# Altium PCB DAC_Sources_REV2.PcbDoc (part 5 of 9)
Units mil, origin at the board's own origin, x right, y up, seen from the top; angles counter-clockwise.
Board outline 10905.51 x 5393.7 mil, 8 copper layers (Top Layer, GND_02, SIG_03, PWR_04, PWR_05, SIG_06, GND_07, Bottom Layer), stack 65.69 mil thick; 663 components, 464 nets, 2338 pads, 2140 vias.
Unrouted connection lines stored in the file: 515.
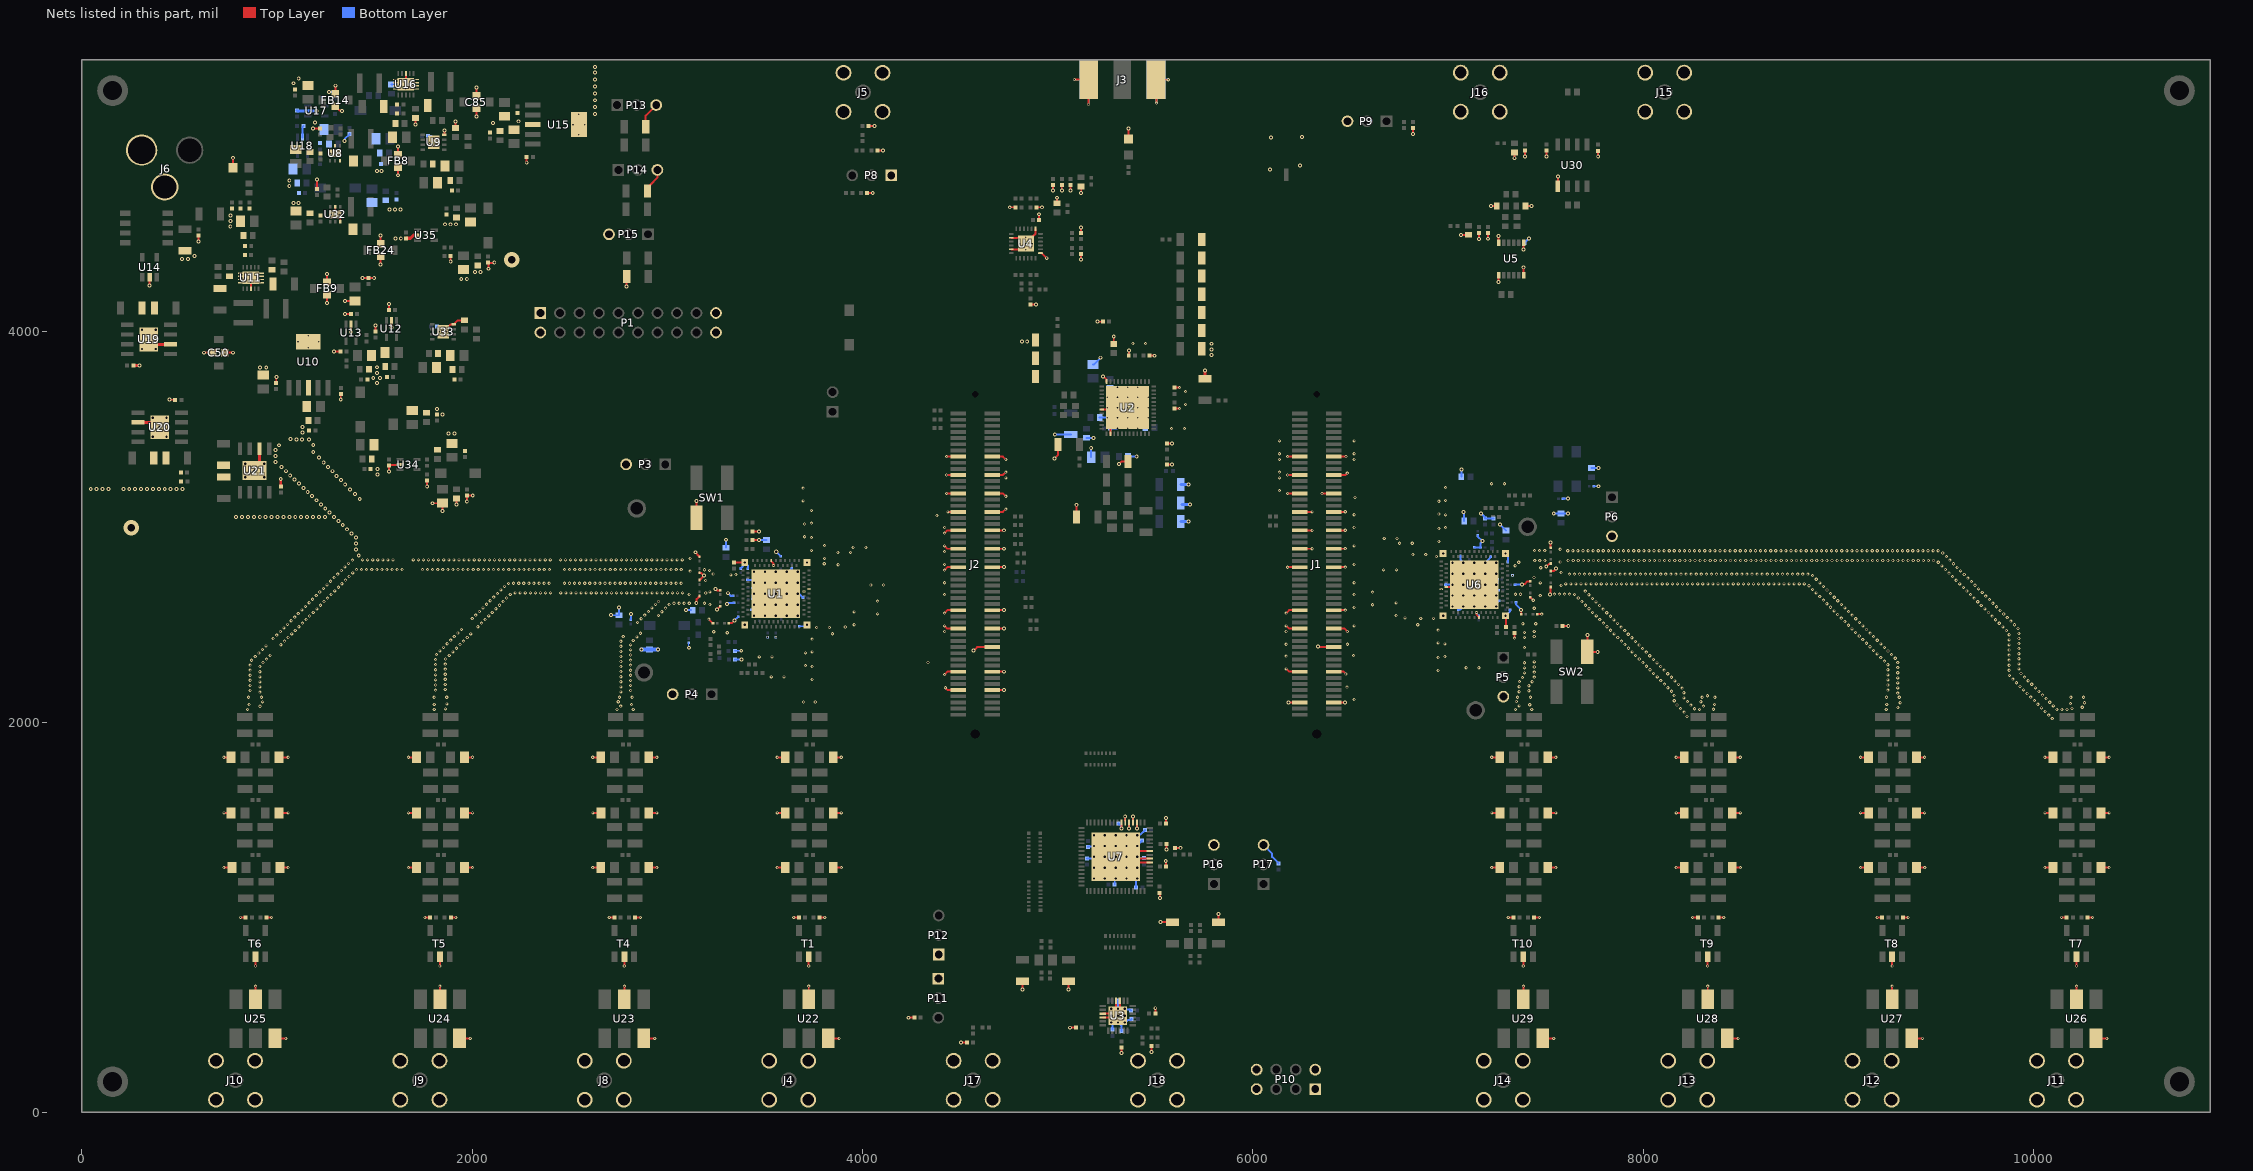
[diagram p11: the nets of this part, all layers, seen from the top]

## Via types
v1: diameter 16, hole 8, Top Layer to Bottom Layer, tented both sides, 1452 vias
v2: diameter 20, hole 10, Top Layer to Bottom Layer, tented both sides, 509 vias
v3: diameter 10, hole 6, Top Layer to Bottom Layer, tented both sides, 65 vias
v4: diameter 23.62, hole 11.81, Top Layer to Bottom Layer, tented top, 59 vias
v5: diameter 24, hole 12, Top Layer to Bottom Layer, tented top, 34 vias
v6: diameter 24, hole 12, Top Layer to Bottom Layer, tented both sides, 15 vias
v7: diameter 23.62, hole 11.81, Top Layer to Bottom Layer, tented both sides, 4 vias
v8: diameter 78.74, hole 39.37, Top Layer to Bottom Layer, tented both sides, 2 vias

## Nets (pads, with @x,y where several pads share a name; then routed paths per layer and width w, separated by ;. In a path a pad name is that pad's centre, name@x,y a point inside that pad or via, vN(x,y) a via of type N, cw(c..) or ccw(c..) an arc to the next point about the centre after c; other vN are vias at no path point) (continued)
GND: C1.1 C2.1 C3.1 C4.1 C5.1 C6.1 C10.1 C11.1 C12.2 C15.2 C16.2 C17.2 C18.2 C19.1 C20.2 C21.2 C22.2 C24.2 C25.2 C26.2 C27.2 C28.2 C29.2 C31.2 C32.2 C35.1 C36.2 C37.1 C38.1 C39.1 C40.1 C41.2 C42.1 C43.2 C44.2 C45.1 C46.1 C47.2 C48.2 C49.2 C50.2 C51.2 C52.2 C53.1 C54.2 C55.1 C56.1 C57.1 C58.1 C59.2 C60.2 C61.2 C62.2 C63.1 C64.1 C65.2 C66.1 C67.2 C68.1 C69.1 C70.2 C71.1 C72.2 C73.1 C74.2 C75.1 C76.1 C77.2 C78.2 C80.2 C81.2 C85.2 C86.2 C87.2 C88.1 C89.2 C90.1 C91.1 C92.1 C93.1 C94.2 C95.2 C96.2 C97.2 C98.1 C99.1 C100.2 C101.1 C102.2 C103.1 C104.1 C105.2 C106.1 C107.2 C108.1 C109.2 C110.1 C111.1 C112.2 C113.2 C114.2 C115.2 C116.2 C117.2 C118.2 C119.2 C120.2 C121.2 C122.2 C123.2 C124.2 C125.2 C126.2 C127.2 C128.2 C129.2 C130.2 C131.2 C132.2 C133.2 C134.2 C135.2 C136.2 C137.2 C138.2 C139.2 C140.2 C141.2 C145.1 C146.1 C147.1 C148.1 C149.1 C150.1 C154.1 C155.1 C156.1 C157.1 C158.1 C159.1 C163.1 C164.1 C165.1 C166.1 C167.1 C168.1 C172.1 C173.1 C174.1 C175.1 C176.1 C177.1 C181.1 C182.1 C183.1 C184.1 C185.1 C186.1 C190.1 C191.1 C192.1 C193.1 C194.1 C195.1 C199.1 C200.1 C201.1 C202.2 C203.2 C204.2 C205.2 C206.2 C207.2 C208.2 C209.2 C210.2 C211.2 C212.2 C213.2 C214.2 C215.2 C216.2 C217.2 C218.2 C219.2 C220.2 C221.2 C222.2 C223.2 C224.2 C225.2 C226.2 C227.2 C228.2 C229.2 C230.2 C231.2 C232.2 C233.2 C234.2 C235.2 C236.2 C237.2 C238.2 C239.2 C240.2 C241.2 C242.2 C243.2 C244.2 C245.2 C246.2 C247.2 C248.2 C249.2 C250.2 C251.2 C252.2 C253.2 C254.2 C255.2 C256.2 C257.2 C258.2 C259.2 C260.2 C261.2 C263.2 C264.2 C265.2 C267.1 C268.1 C269.2 C270.2 C271.2 C272.2 C273.2 C275.1 C277.2 C278.2 C279.2 C280.2 C281.2 C282.2 C285.2 C286.2 C287.2 C288.2 C290.1 C291.2 C292.1 C293.2 C294.1 C296.1 C297.1 C298.2 C299.1 C300.1 C301.2 C302.1 C303.1 C304.1 C305.2 C306.2 C309.2 C310.2 C311.2 C312.2 C313.2 C314.2 C315.2 C324.1 C325.2 C326.1 C327.2 C328.1 C329.2 C330.1 C331.1 C332.2 D1.1 D2.1 FB8.2 FB9.2 FB14.2 FB24.2 J1.15 J1.16 J1.21 J1.22 J1.27 J1.28 J1.33 J1.34 J1.39 J1.40 J1.45 J1.46 J1.51 J1.52 J1.65 J1.66 J1.71 J1.72 J1.77 J1.85 J1.86 J1.95 J1.96 J2.15 J2.16 J2.21 J2.22 J2.27 J2.28 J2.33 J2.34 J2.39 J2.40 J2.45 J2.46 J2.51 J2.52 J2.65 J2.66 J2.71 J2.72 J2.77 J2.85 J2.86 J2.91 J2.92 J3.2 J3.3 J4.2 J4.3 J4.4 J4.5 J5.2 J5.3 J5.4 J5.5 J6.1 J6.2 J8.2 J8.3 J8.4 J8.5 J9.2 J9.3 J9.4 J9.5 J10.2 J10.3 J10.4 J10.5 J11.2 J11.3 J11.4 J11.5 J12.2 J12.3 J12.4 J12.5 J13.2 J13.3 J13.4 J13.5 J14.2 J14.3 J14.4 J14.5 J15.2 J15.3 J15.4 J15.5 J16.2 J16.3 J16.4 J16.5 J17.2 J17.3 J17.4 J17.5 J18.2 J18.3 J18.4 J18.5 J25.2 P1.1 P1.2 P1.19 P1.20 P3.3 P4.3 P5.3 P6.3 P8.1 P9.3 P10.1 P10.2 P10.7 P10.8 P11.1 P12.1 P13.3 P14.3 P15.3 P16.3 P17.3 R1.1 R2.1 R3.1 R4.1 R5.1 R6.1 R7.2 R8.1 R10.1 R11.2 R12.1 R13.1 R14.1 R15.1 R16.1 R17.1 R18.1 R19.1 R20.1 R21.1 R22.1 R24.1 R26.1 R27.1 R29.1 R35.1 R36.1 R38.1 R39.1 R41.1 R42.1 R44.1 R48.2 R49.2 R52.1 R53.1 R55.1 R56.1 R58.1 R59.2 R60.1 R61.2 R62.1 R63.2 R64.1 R65.2 R66.1 R67.2 R68.1 R69.2 R72.2 R77.2 R85.1 R89.1 R90.1 R96.1 R97.1 R98.1 R99.1 R100.1 R108.1 R110.1 R112.1 R113.1 R114.1 R115.1 R118.1 R119.1 R122.1 R125.1 R126.2 R132.2 R146.2 SW1.4 SW2.4 T1.4 T4.4 T5.4 T6.4 T7.4 T8.4 T9.4 T10.4 U1.A18 U1.A29 U1.B16 U1.B26 U1.C1 U1.C2 U1.C3 U1.C4 U1.C5@3556.3,2658.19 U2.2 U2.36 U2.43 U2.49@5254.33,3559.06 U2.49@5254.33,3611.42 U2.49@5254.33,3663.78 U2.49@5306.69,3506.69 U2.49@5306.69,3559.06 U2.49@5306.69,3611.42 U2.49@5306.69,3663.78 U2.49@5306.69,3716.14 U2.49@5359.06,3506.69 U2.49@5359.06,3559.06 U2.49@5359.06,3611.42 U2.49@5359.06,3663.78 U2.49@5359.06,3716.14 U2.49@5411.42,3506.69 U2.49@5411.42,3559.06 U2.49@5411.42,3611.42 U2.49@5411.42,3663.78 U2.49@5411.42,3716.14 U2.49@5463.78,3559.06 U2.49@5463.78,3611.42 U2.49@5463.78,3663.78 U3.15 U3.16 U3.21 U3.22 U3.25 U4.7 U4.13 U4.20 U4.23 U4.25@4805.91,4452.36 U4.25@4837.4,4420.87 U4.25@4837.4,4452.36 U4.25@4837.4,4483.86 U4.25@4868.9,4452.36 U5.1 U5.6 U5.7 U5.12 U6.A18 U6.A29 U6.B16 U6.B26 U6.C1 U6.C2 U6.C3 U6.C4 U6.C5@7135.04,2704.72 U7.3 U7.4 U7.5 U7.6 U7.7 U7.55 U7.56 U7.58 U7.65 U8.2 U8.6 U8.7@1275.98,4914.57 U8.7@1297.64,4914.57 U8.7@1319.29,4914.57 U9.4 U9.9 U10.3 U10.6 U11.8 U11.11@812.2,4252.17 U11.11@812.2,4268.31 U11.11@812.2,4284.45 U11.11@812.2,4300.59 U11.11@834.06,4276.38 U11.11@866.54,4254.72 U11.11@866.54,4276.38 U11.11@866.54,4298.03 U11.11@899.02,4276.38 U11.11@920.87,4252.17 U11.11@920.87,4268.31 U11.11@920.87,4284.45 U11.11@920.87,4300.59 U12.2 U13.2 U14.2 U15.3 U15.6 U16.8 U16.11@1606.5,5244.29 U16.11@1606.5,5260.43 U16.11@1606.5,5276.57 U16.11@1606.5,5292.72 U16.11@1628.35,5268.5 U16.11@1660.83,5246.85 U16.11@1660.83,5268.5 U16.11@1660.83,5290.16 U16.11@1693.31,5268.5 U16.11@1715.16,5244.29 U16.11@1715.16,5260.43 U16.11@1715.16,5276.57 U16.11@1715.16,5292.72 U17.2 U18.2 U19.2 U19.9 U20.2 U20.9 U21.2 U21.9 U22.3 U22.5 U23.3 U23.5 U24.3 U24.5 U25.3 U25.5 U26.3 U26.5 U27.3 U27.5 U28.3 U28.5 U29.3 U29.5 U30.1 U32.2 U32.6 U32.7@1276.77,4601.57 U32.7@1298.43,4601.57 U32.7@1320.08,4601.57 U33.4 U33.9 U34.2 U35.2 | length 17951
  Top Layer w7.5: v2@5204.13,4052.56 R126.2@5231.3,4052.56 ; R113.1@5560.24,3427.56 R113.1@5561.42,3428.74
  Top Layer w9: U11.8@866.54,4221.26 U11.11@866.54,4254.72 ; v2(1326.77,3652.76) C281.2@1326.77,3681.5
  Top Layer w9.06: v2(4754.72,4638.19) R90.1@4783.46,4638.19 ; R89.1@4891.34,4638.19 v2(4920.08,4638.19) ; C306.2@4904.33,4573.62 v2(4904.33,4602.36) ; v2(4976.57,4724.02) C270.2@4976.57,4752.76 ; C265.2@4996.46,4658.27 v2(4996.46,4687.01) ; v2(5021.46,4724.02) C271.2@5021.46,4752.76 ; v2(5066.34,4724.02) C272.2@5066.34,4752.76 ; v2(5119.69,4369.88) R118.1@5119.69,4398.62 ; R119.1@5119.69,4506.1 v2(5119.69,4534.84) ; C273.2@5120.28,4745.28 5120.67,4744.88 v2(5120.67,4711.02)
  Top Layer w9.84: U1.A29@3532.68,2827.48 3532.68,2824.53 3544.49,2812.72 v3(3544.49,2801.89) ; U6.B16@6991.34,2692.91 7015.94,2692.91 7022.83,2699.8 v4(7022.83,2704.72) ; v3(7146.85,2561.02) 7146.85,2550.2 7158.66,2538.39 U6.A29@7158.66,2537.4
  Top Layer w10: v2(347.24,4236.61) U14.2@347.24,4280.71 ; v2(448.43,3652.36) 448.82,3651.97 477.56,3651.97 C123.2@477.95,3651.57 ; v2(598.82,4463.36) C41.2@598.82,4492.91 ; v2(626.77,3892.91) C50.2@669.68,3892.91 ; v1(728.19,1255) C159.1@769.57,1255 ; v1(728.19,1820) C157.1@769.57,1820 ; v1(728.62,1535) C158.1@770,1535 ; C50.2@732.68,3892.91 v2(775.59,3892.91) ; D2.1@774.02,4840.94 v2(774.02,4891.73) ; v1(812.95,1000) R60.1@839.25,1000 ; v1(889.76,750.39) 889.88,750.51 889.88,797.36 T6.4@890,797.48 ; U25.5@890,580 890.16,580.16 v1(890.16,647.64) ; R61.2@945.75,1000 v1(972.05,1000) ; U25.3@990,380 v1(1045.67,380) ; C52.2@995.87,3738.58 996.16,3738.88 996.16,3768.6 v2(996.46,3768.9) ; C165.1@1015.43,1255 1015.71,1254.72 v1(1057.09,1254.72) ; C164.1@1015.43,1535 v1(1056.81,1535) ; C163.1@1015.43,1820 v1(1056.81,1820) ; v2(1184.65,5041.73) R36.1@1219.29,5041.73 ; R108.1@1204.33,4733.07 v2(1204.33,4779.92) ; C298.2@1223.62,4596.46 C298.2@1224.02,4596.85 ; v2(1256.3,4147.64) FB9.2@1256.3,4190.55 ; FB9.2@1256.3,4253.54 v2(1256.3,4296.46) ; v2(1291.73,3898.43) R44.1@1324.41,3898.43 ; U32.7@1298.43,4601.57 U32.2@1298.43,4639.96 ; FB14.2@1299.21,5156.3 1322.1,5133.41 1331.55,5133.41 v2(1333.46,5131.5) ; FB14.2@1299.21,5219.29 v2(1299.21,5261.02) ; U32.7@1320.08,4601.57 1324.02,4597.64 U32.6@1324.02,4563.19 ; v2(1349.11,4158.66) C63.1@1379.13,4158.66 ; v2(1349.51,4090.94) C77.2@1379.53,4090.94 ; v2(1379.53,3999.9) U13.2@1379.53,4029.92 ; v2(1438.09,4275.59) C62.2@1468.11,4275.59 v2(1498.13,4275.59) ; R42.1@1505.12,4002.36 v2(1505.12,4032.38) ; v2(1531.1,4344.09) FB24.2@1531.1,4387.01 ; FB24.2@1531.1,4450 v2(1531.1,4492.91) ; C70.2@1573.23,4112.6 v2(1573.23,4142.62) ; v2(1574.41,3283.86) 1574.61,3284.06 1574.61,3314.76 C325.2@1574.8,3314.96 1580.04,3318.22 1616.61,3318.22 U34.2@1630.31,3319.29 ; v2(1586.61,4021.16) U12.2@1586.61,4051.18 ; v2(1620.08,4802.36) FB8.2@1620.08,4844.09 ; FB8.2@1620.08,4907.09 v2(1620.08,4948.82) ; U16.11@1660.83,5268.5 U16.11@1660.83,5290.16 U16.8@1660.83,5323.62 ; v1(1673.07,1255) C150.1@1714.45,1255 ; v1(1673.07,1820) C148.1@1714.45,1820 ; v1(1673.5,1535) C149.1@1714.88,1535 ; v2(1710.24,5061.81) R52.1@1710.24,5095.28 ; v1(1757.83,1000) R12.1@1784.13,1000 ; v2(1769.68,3207.09) R122.1@1769.68,3237.8 ; v2(1797.64,3121.65) C324.1@1828.35,3121.65 ; v1(1834.65,750.39) 1834.76,750.51 1834.76,797.36 T5.4@1834.88,797.48 ; U24.5@1834.88,580 1835.04,580.16 v1(1835.04,647.64) ; v2(1847.64,3082.28) C324.1@1847.64,3112.99 ; U33.9@1851.18,3999.61 1889.57,4037.99 U33.4@1906.3,4037.99 1927.36,4059.06 R110.1@1961.42,4059.06 ; U9.4@1857.28,5009.92 v2(1857.28,5030.91) ; v2(1890.16,4361.02) R125.1@1890.16,4388.19 ; R59.2@1890.63,1000 v1(1916.93,1000) ; R35.1@1915.35,5044.88 v2(1915.35,5077.95) ; v2(1919.68,3114.96) C292.1@1919.68,3145.67 ; U24.3@1934.88,380 v1(1990.55,380) ; C156.1@1960.31,1255 1960.59,1254.72 v1(2001.97,1254.72) ; C155.1@1960.31,1535 v1(2001.69,1535) ; C154.1@1960.31,1820 v1(2001.69,1820) ; v2(1972.44,3131.1) C293.2@1972.44,3161.81 v2(2003.15,3161.81) ; v2(2022.05,5102.76) C85.2@2022.05,5145.67 ; C85.2@2022.05,5208.66 v2(2022.05,5251.57) ; C327.2@2082.28,4354.33 C327.2@2083.07,4353.54 ; v2(2083.86,4323.23) 2083.07,4324.02 C327.2@2083.07,4353.54 ; v2(2113.39,4354.33) 2112.6,4353.54 C327.2@2083.07,4353.54 ; v2(2279.53,4866.54) C282.2@2279.53,4896.46 ; v1(2617.95,1255) C19.1@2659.33,1255 ; v1(2617.95,1820) C10.1@2659.33,1820 ; v1(2618.39,1535) C11.1@2659.76,1535 ; v1(2702.72,1000) R10.1@2729.02,1000 ; v1(2779.53,750.39) 2779.65,750.51 2779.65,797.36 T4.4@2779.76,797.48 ; U23.5@2779.76,580 2779.92,580.16 v1(2779.92,647.64) ; v2(2791.73,4231.89) R98.1@2791.73,4283.07 ; R11.2@2835.51,1000 v1(2861.81,1000) ; U23.3@2879.76,380 v1(2935.43,380) ; R96.1@2889.37,5050.79 2889.37,5108.27 P13.3@2942.91,5161.81 ; R97.1@2898.43,4721.65 2912.13,4735.35 2912.13,4752.28 2949.21,4789.37 P14.3@2949.21,4829.53 ; C147.1@2905.2,1255 2905.47,1254.72 v1(2946.85,1254.72) ; C146.1@2905.2,1535 v1(2946.57,1535) ; C145.1@2905.2,1820 v1(2946.57,1820) ; v2(3143.7,2870.47) 3143.7,2869.69 3164.96,2848.43 R13.1@3164.96,2847.64 ; v2(3148.43,2610.63) 3150.34,2612.54 3150.34,2630.65 3164.96,2645.28 R6.1@3164.96,2646.06 ; SW1.4@3149.61,3046.75 v2(3149.61,3133.07) ; R8.1@3164.96,2727.95 v2(3187.8,2750.79) 3174.92,2763.66 3166.26,2763.66 3164.96,2764.96 R14.1@3164.96,2765.75 ; v1(3212.99,2528.35) 3233.46,2507.87 R4.1@3233.46,2507.09 ; v2(3246.06,2683.07) 3253.62,2675.51 R3.1@3270.08,2675.51 ; v2(3254.33,2577.95) 3255.2,2577.95 3270.08,2592.83 R5.1@3270.08,2593.62 ; R2.1@3315.35,2507.09 3329.53,2507.09 v2(3344.09,2521.65) ; C211.2@3342.13,2817.72 3396.77,2817.72 v4(3396.85,2817.64) ; R72.2@3437.4,2933.07 v2(3469.69,2933.07) ; C210.2@3437.4,2977.56 v2(3469.69,2977.56) ; v1(3562.83,1255) C3.1@3604.21,1255 ; v1(3562.83,1820) C1.1@3604.21,1820 ; v1(3563.27,1535) C2.1@3604.65,1535 ; v1(3647.6,1000) R1.1@3673.9,1000 ; v1(3724.41,750.39) 3724.53,750.51 3724.53,797.36 T1.4@3724.65,797.48 ; U22.5@3724.65,580 3724.8,580.16 v1(3724.8,647.64) ; R7.2@3780.39,1000 v1(3806.69,1000) ; U22.3@3824.65,380 v1(3880.31,380) ; C6.1@3850.08,1255 3850.35,1254.72 v1(3891.73,1254.72) ; C5.1@3850.08,1535 v1(3891.46,1535) ; C4.1@3850.08,1820 v1(3891.46,1820) ; R29.1@4023.62,4712.2 v2(4052.76,4712.2) ; R27.1@4031.89,5054.72 v2(4061.02,5054.72) ; R26.1@4076.77,4929.53 v2(4105.91,4929.53) ; v2(4236.61,485.43) 4236.81,485.63 4266.73,485.63 C140.2@4266.93,485.83 ; v1(4420.98,2243.98) 4435.55,2258.54 J2.86@4491.14,2258.54 ; v1(4420.98,2493.58) 4435.55,2479.02 J2.72@4491.14,2479.02 ; v1(4420.98,2558.94) 4435.55,2573.5 J2.66@4491.14,2573.5 ; v1(4420.98,2779.41) 4435.55,2793.98 J2.52@4491.14,2793.98 ; v1(4420.98,2903.03) 4435.55,2888.46 J2.46@4491.14,2888.46 ; v1(4420.98,2968.39) 4435.55,2982.95 J2.40@4491.14,2982.95 ; v1(4425.2,2176.38) 4437.52,2164.05 J2.92@4491.14,2164.05 ; v1(4430.71,3360.63) 4430.85,3360.77 4491,3360.77 J2.16@4491.14,3360.91 ; v1@4430.98,3171.93 J2.28@4491.14,3171.93 ; v1@4430.98,3266.42 J2.22@4491.14,3266.42 ; v1(4437.8,3077.56) 4437.85,3077.5 4491.08,3077.5 J2.34@4491.14,3077.44 ; v2(4504.92,359.25) 4505.12,359.45 R49.2@4535.04,359.45 ; v2(4568.9,2366.14) 4587.28,2384.53 J2.77@4664.37,2384.53 ; J2.91@4664.37,2164.05 v2@4724.53,2164.05 ; J2.85@4664.37,2258.54 v2@4724.53,2258.54 ; J2.71@4664.37,2479.02 v2@4724.53,2479.02 ; J2.65@4664.37,2573.5 v2@4724.53,2573.5 ; J2.51@4664.37,2793.98 v2@4724.53,2793.98 ; J2.45@4664.37,2888.46 v2@4724.53,2888.46 ; J2.39@4664.37,2982.95 v2@4724.53,2982.95 ; J2.33@4664.37,3077.44 4719.96,3077.44 v1(4734.53,3092.01) ; J2.27@4664.37,3171.93 4719.96,3171.93 v1(4734.53,3157.36) ; J2.21@4664.37,3266.42 4719.96,3266.42 v1(4734.53,3280.98) ; J2.15@4664.37,3360.91 4719.96,3360.91 v1(4734.53,3346.34) ; U4.23@4762.6,4422.83 4807.87,4422.83 U4.25@4837.4,4452.36 ; U4.20@4762.6,4481.89 4807.87,4481.89 U4.25@4837.4,4452.36 ; v2(4819.69,629.13) C80.2@4819.69,671.26 ; C275.1@4859.84,4139.76 4860.04,4139.57 4888.39,4139.57 v2(4888.58,4139.37) ; U4.13@4886.61,4527.17 4886.61,4501.57 U4.25@4837.4,4452.36 ; U4.7@4912.2,4403.15 4918.11,4403.15 v2(4944.09,4377.17) ; v2(4984.65,3351.18) 5001.57,3368.11 C32.2@5001.57,3422.05 ; C78.2@5055.51,672.05 5055.91,671.65 v2(5055.91,629.53) ; v2(5063.78,434.25) 5064.17,434.65 5094.09,434.65 R48.2@5094.49,435.04 ; v1(5086.14,5292.91) J3.2@5149.21,5292.91 ; C311.2@5096.46,3051.18 v2(5096.46,3113.78) ; v1(5158.27,5164.88) J3.2@5158.27,5227.95 ; U2.43@5225.2,3601.57 U2.49@5349.21,3601.57 ; U3.22@5232.28,486.61 5299.21,486.61 v5(5309.06,496.46) 5318.9,506.3 U3.15@5318.9,573.23 ; U3.21@5232.28,506.3 5299.21,506.3 U3.16@5299.21,573.23 ; v2(5233.07,3771.65) 5250.79,3753.94 U2.36@5250.79,3745.28 ; U2.2@5270.47,3477.56 5270.47,3522.83 U2.49@5306.69,3559.06 U2.49@5349.21,3601.57 ; C24.2@5287.4,3938.19 v2(5287.4,3975.98) ; v2(5314.17,3322.83) 5326.38,3335.04 R24.1@5361.02,3335.04 ; C136.2@5326.38,332.68 5326.77,332.28 5326.77,304.33 v2(5327.17,303.94) ; v2(5326.97,1454.35) U7.7@5326.97,1474.28 ; U7.6@5346.26,1496.67 v2(5346.26,1516.59) ; v2@5346.26,1515.59 v2@5346.46,1515.39 ; U2.49@5359.06,3611.42 U2.49@5349.21,3601.57 ; D1.1@5362.6,4988.58 v2(5362.6,5041.34) ; R115.1@5364.37,3878.35 5364.86,3878.84 5364.86,3903.05 v2(5365.35,3903.54) ; v2@5366.14,1455.55 v2@5366.34,1455.35 ; v2(5366.34,1454.35) U7.5@5366.34,1474.28 ; U7.4@5385.63,1496.67 v2(5385.63,1516.59) ; v2@5385.63,1515.59 v2@5385.83,1515.39 ; v2@5405.51,1455.55 v2@5405.71,1455.35 ; U7.3@5405.51,1485.47 5405.51,1474.47 5405.71,1474.28 v2(5405.71,1454.35) ; U7.65@5408.27,1309.61 5417.24,1300.63 U7.56@5472.24,1300.63 ; U7.55@5472.24,1280.94 5326.77,1280.94 U7.65@5297.24,1310.47 5326.77,1340 U7.58@5472.24,1340 ; R114.1@5472.34,3877.85 v2@5496.55,3877.85 ; R146.2@5480.31,340.55 5480.31,310.63 v2(5480.51,310.43) ; C139.2@5500.39,506.3 v2(5500.39,534.25) ; J3.3@5503.94,5291.73 v1(5567.01,5291.73) ; v1(5506.3,5171.97) J3.3@5506.3,5235.04 ; C130.2@5523.82,1124.61 5523.82,1099.41 v2(5524.8,1098.43) ; v2(5527.17,976.38) 5585.83,976.38 C261.2@5587.4,974.8 ; v2(5553.94,1288.58) 5554.92,1287.6 C120.2@5554.92,1262.4 ; C126.2@5555.51,1481.1 5555.51,1509.06 v2(5555.91,1509.45) ; v2(5557.09,1348.43) 5557.48,1348.82 C127.2@5557.48,1376.77 ; R112.1@5560.24,3320.08 v2(5585.83,3320.08) ; R113.1@5561.42,3428.74 v2(5587.01,3428.74) ; R39.1@5600,3606.69 v1(5625.2,3606.69) ; R53.1@5600,3714.17 v1(5625.2,3714.17) ; C264.2@5601.57,1354.33 5602.56,1355.31 5627.76,1355.31 v2(5628.74,1356.3) ; C81.2@5824.41,975.2 v2(5824.41,1017.32) ; v1(6170.98,2273.11) 6185.55,2258.54 J1.86@6241.14,2258.54 ; v1(6170.98,2493.58) 6185.55,2479.02 J1.72@6241.14,2479.02 ; v1(6170.98,2558.94) 6185.55,2573.5 J1.66@6241.14,2573.5 ; v1(6178.07,2793.98) J1.52@6241.14,2793.98 ; v1(6178.07,3171.93) J1.28@6241.14,3171.93 ; v1(6178.07,3266.42) J1.22@6241.14,3266.42 ; v1(6178.07,3360.91) J1.16@6241.14,3360.91 ; v2(6183.19,2101.06) J1.96@6241.14,2101.06 ; J1.46@6241.14,2888.46 v1(6304.21,2888.46) ; J1.40@6241.14,2982.95 v1(6304.21,2982.95) ; J1.34@6241.14,3077.44 v1(6304.21,3077.44) ; v2(6334.65,2386.61) 6336.73,2384.53 J1.77@6414.37,2384.53 ; v1(6354.72,3171.42) 6355.24,3171.93 J1.27@6414.37,3171.93 ; J1.95@6414.37,2101.06 v2(6472.32,2101.06) ; J1.85@6414.37,2258.54 6465.08,2258.54 v1(6476.77,2246.85) ; J1.71@6414.37,2479.02 6469.96,2479.02 v1(6484.53,2464.45) ; J1.65@6414.37,2573.5 v1@6473.5,2573.5 ; J1.51@6414.37,2793.98 v1@6473.5,2793.98 ; J1.45@6414.37,2888.46 6473.5,2888.46 v1(6474.02,2888.98) ; J1.39@6414.37,2982.95 v1@6473.5,2982.95 ; J1.33@6414.37,3077.44 6473.5,3077.44 v1(6474.02,3077.95) ; J1.21@6414.37,3266.42 6472.67,3266.42 6482.63,3276.38 v1(6484.25,3276.38) ; J1.15@6414.37,3360.91 v1(6477.44,3360.91) ; v2@6820.08,5013.78 R85.1@6820.08,5043.31 ; v2@7066.93,4496.85 C280.2@7096.46,4496.85 ; v2@7159.45,4476.38 C279.2@7159.45,4505.91 ; v2@7204.72,4477.17 C278.2@7204.72,4506.69 ; v2@7220.08,4645.28 R100.1@7249.61,4645.28 ; v1(7224.25,1255) C195.1@7265.63,1255 ; v1(7224.25,1820) C193.1@7265.63,1820 ; v1(7224.68,1535) C194.1@7266.06,1535 ; v2(7259.45,4255.12) 7259.65,4255.31 7259.65,4289.96 U5.7@7259.84,4290.16 ; U5.6@7259.84,4456.16 v2(7259.84,4490.94) ; v4(7294.49,2545.28) 7296.85,2542.91 R77.2@7296.85,2488.58 ; v4(7294.49,2864.17) U6.C1@7294.57,2864.25 ; v1(7309.02,1000) R68.1@7335.32,1000 ; v1(7341.34,2430.71) C215.2@7341.34,2457.09 ; v2@7341.34,4889.76 C288.2@7341.34,4919.29 ; v2(7375.2,2575.2) 7375.59,2574.8 7375.59,2554.02 R20.1@7375.98,2553.62 ; v2(7379.13,2705.12) 7380.91,2706.89 7392.72,2706.89 7407.27,2721.44 7420.65,2721.44 R19.1@7421.26,2722.05 ; v1(7385.83,750.39) 7385.94,750.51 7385.94,797.36 T10.4@7386.06,797.48 ; U29.5@7386.06,580 7386.22,580.16 v1(7386.22,647.64) ; U5.12@7387.8,4290.16 v2(7387.8,4330.71) ; v2(7387.8,4421.37) U5.1@7387.8,4456.16 ; v2@7394.49,4898.43 C286.2@7394.49,4927.95 ; R99.1@7397.64,4645.28 v2@7427.17,4645.28 ; R21.1@7421.26,2640.16 7421.26,2639.37 7436.14,2624.49 v2(7437.01,2624.49) ; R69.2@7441.81,1000 v1(7468.11,1000) ; R22.1@7457.87,2553.62 R22.1@7457.87,2553.62 7480.67,2553.58 v1(7480.71,2553.54) ; U29.3@7486.06,380 v1(7541.73,380) ; v2(7503.54,2797.32) 7516.42,2810.2 7525.08,2810.2 7526.38,2811.5 R17.1@7526.38,2812.28 ; v2@7504.33,4898.82 C285.2@7504.33,4928.35 ; C201.1@7511.5,1255 7511.77,1254.72 v1(7553.15,1254.72) ; C200.1@7511.5,1535 v1(7552.87,1535) ; C199.1@7511.5,1820 v1(7552.87,1820) ; v2(7523.23,2653.62) 7525.08,2655.47 7525.08,2691.3 R16.1@7526.38,2692.6 ; R18.1@7526.38,2774.49 7541.02,2774.49 v2(7553.54,2787.01) ; R15.1@7526.38,2894.17 v2(7526.38,2920.94) ; U30.1@7562.8,4745.86 7562.89,4745.96 7562.89,4795.96 v2(7562.99,4796.06) ; C214.2@7587.01,2492.52 v2(7616.54,2492.52) ; SW2.4@7714.17,2417.72 v2(7714.17,2447.24) ; SW2.4@7737.8,2360.24 v2(7767.32,2360.24) ; v2@7769.68,4898.03 C287.2@7769.68,4927.56 ; v1(8169.13,1255) C186.1@8210.51,1255 ; v1(8169.13,1820) C184.1@8210.51,1820 ; v1(8169.57,1535) C185.1@8210.94,1535 ; v1(8253.9,1000) R66.1@8280.2,1000 ; v1(8330.71,750.39) 8330.83,750.51 8330.83,797.36 T9.4@8330.94,797.48 ; U28.5@8330.94,580 8331.1,580.16 v1(8331.1,647.64) ; R67.2@8386.69,1000 v1(8412.99,1000) ; U28.3@8430.94,380 v1(8486.61,380) ; C192.1@8456.38,1255 8456.65,1254.72 v1(8498.03,1254.72) ; C191.1@8456.38,1535 v1(8497.76,1535) ; C190.1@8456.38,1820 v1(8497.76,1820) ; v1(9114.02,1255) C177.1@9155.39,1255 ; v1(9114.02,1820) C175.1@9155.39,1820 ; v1(9114.45,1535) C176.1@9155.83,1535 ; v1(9198.78,1000) R64.1@9225.08,1000 ; v1(9275.59,750.39) 9275.71,750.51 9275.71,797.36 T8.4@9275.83,797.48 ; U27.5@9275.83,580 9275.98,580.16 v1(9275.98,647.64) ; R65.2@9331.57,1000 v1(9357.87,1000) ; U27.3@9375.83,380 v1(9431.5,380) ; C183.1@9401.26,1255 9401.54,1254.72 v1(9442.91,1254.72) ; C182.1@9401.26,1535 v1(9442.64,1535) ; C181.1@9401.26,1820 v1(9442.64,1820) ; v1(10058.9,1255) C168.1@10100.28,1255 ; v1(10058.9,1820) C166.1@10100.28,1820 ; v1(10059.33,1535) C167.1@10100.71,1535 ; v1(10143.66,1000) R62.1@10169.96,1000 ; v1(10220.47,750.39) 10220.59,750.51 10220.59,797.36 T7.4@10220.71,797.48 ; U26.5@10220.71,580 10220.87,580.16 v1(10220.87,647.64) ; R63.2@10276.46,1000 v1(10302.76,1000) ; U26.3@10320.71,380 v1(10376.38,380) ; C174.1@10346.14,1255 10346.42,1254.72 v1(10387.8,1254.72) ; C173.1@10346.14,1535 v1(10387.52,1535) ; C172.1@10346.14,1820 v1(10387.52,1820)